# KiCad board hologram v3.kicad_pcb (continued)
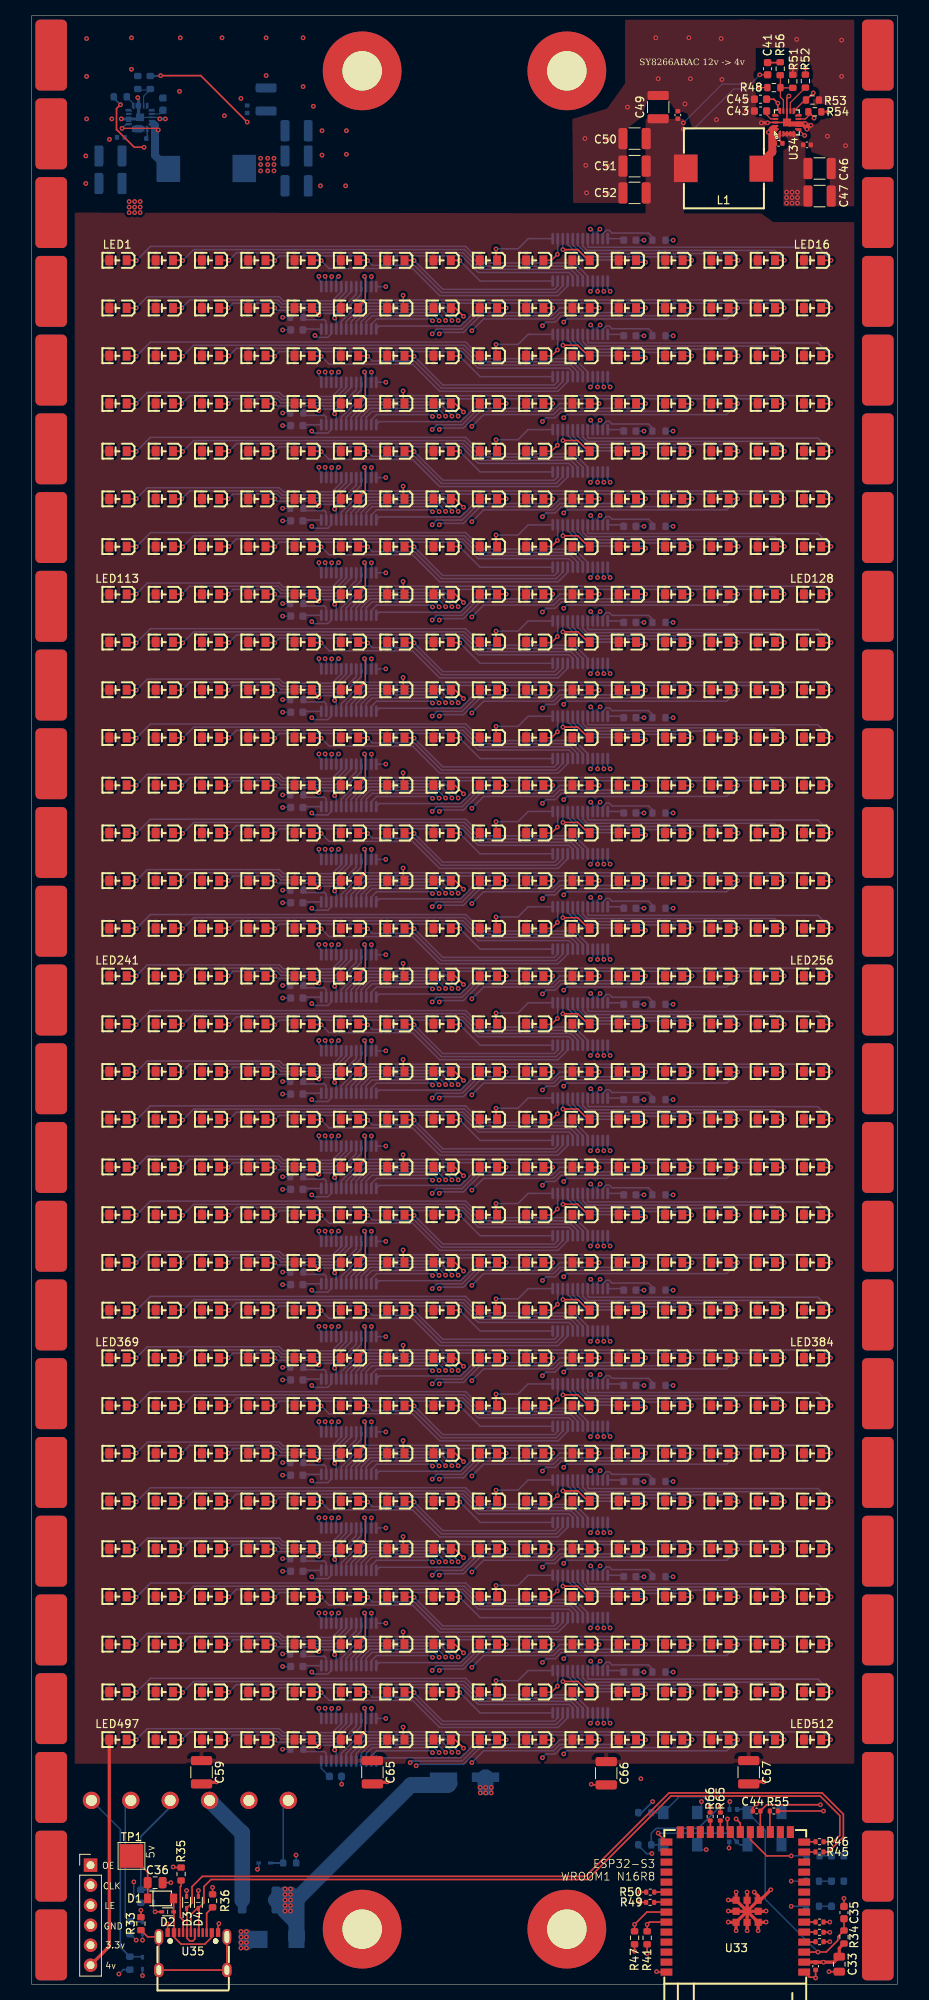
[diagram p0: board, top side]
## Routing (per net, layer and track width the routed paths; a pad name or vN(x,y) marks a point on that pad's centre or on a via; arc(x,y) is an arc through that point) (continued)
Net-(LED383-K): length 59.1
  Top w0.2: v1(95.6,79.55) 95.58,79.53 94.29,79.53
  Bottom w0.2: U24.19 39.98,77.81 42.32,80.15 95,80.15 v1(95.6,79.55)
Net-(LED384-K): length 66
  Top w0.2: v1(101.5,79.55) 101.48,79.53 100.17,79.53
  Bottom w0.2: U24.20 39.35,77.81 42.09,80.55 100.5,80.55 v1(101.5,79.55)
Net-(LED385-K): length 61.7
  Top w0.2: v1(13.3,73.45) 13.26,73.49 11.93,73.49
  Bottom w0.2: U25.5 70.65,71.48 68.98,73.15 57.25,73.15 55.15,75.25 15.1,75.25 v1(13.3,73.45)
Net-(LED386-K): length 54.8
  Top w0.2: 17.81,73.49 19.16,73.49 v1(19.2,73.45)
  Bottom w0.2: U25.6 70.02,71.47 68.74,72.75 57.09,72.75 54.98,74.85 20.6,74.85 v1(19.2,73.45)
Net-(LED387-K): length 47.9
  Top w0.2: v1(25.06,73.49) 23.7,73.49
  Bottom w0.2: v1(25.06,73.49) 26.02,74.45 54.82,74.45 56.92,72.35 68.51,72.35 69.38,71.48 U25.7
Net-(LED388-K): length 41.1
  Top w0.2: v1(30.9,73.45) 30.86,73.49 29.58,73.49
  Bottom w0.2: v1(30.9,73.45) 31.5,74.05 54.65,74.05 56.75,71.95 68.27,71.95 68.75,71.47 U25.8
Net-(LED389-K): length 35.6
  Top w0.2: 35.46,73.49 36.76,73.49 v1(36.8,73.45)
  Bottom w0.2: U25.9 68.11,70.24 66.88,69.01 51.84,69.01 48.4,72.45 37.8,72.45 v1(36.8,73.45)
Net-(LED390-K): length 28.8
  Top w0.2: v1(42.7,73.45) 42.66,73.49 41.34,73.49
  Bottom w0.2: v1(42.7,73.45) 43.3,72.85 48.63,72.85 52.07,69.41 66.64,69.41 67.48,70.25 U25.10
Net-(LED391-K): length 21.9
  Top w0.2: v1(48.6,73.45) 48.56,73.49 47.23,73.49
  Bottom w0.2: U25.11 66.84,70.24 66.41,69.81 52.24,69.81 v1(48.6,73.45)
Net-(LED392-K): length 14.2
  Top w0.2: v1(54.4,73.45) 54.36,73.49 53.11,73.49
  Bottom w0.2: v1(54.4,73.45) 56.99,70.86 U25.12
Net-(LED393-K): length 9.2
  Top w0.2: 58.99,73.49 59,73.5 v1(59,74.95)
  Bottom w0.2: v1(59,74.95) 61.8,74.95 63.09,76.24 U25.13
Net-(LED394-K): length 4.2
  Top w0.2: v1(66.8,74.25) 66.04,73.49 64.87,73.49
  Bottom w0.2: U25.14 66.84,74.39 66.8,74.35 v1(66.8,74.25)
Net-(LED395-K): length 5.9
  Top w0.2: 70.76,73.49 69.4,74.85 v1(67.5,74.85)
  Bottom w0.2: v1(67.5,74.85) 67.5,76.22 U25.15 67.48,75.57
Net-(LED396-K): length 13.1
  Top w0.2: 76.64,73.49 76.88,73.25 v1(78,73.25)
  Bottom w0.2: v1(78,73.25) 78,73.45 77.9,73.55 70.09,73.55 68.11,75.52 U25.16
Net-(LED397-K): length 18.1
  Top w0.2: v1(83.86,73.49) 82.52,73.49
  Bottom w0.2: v1(83.86,73.49) 83.4,73.95 70.25,73.95 68.75,75.45 U25.17
Net-(LED398-K): length 23.4
  Top w0.2: v1(89.76,73.49) 88.4,73.49
  Bottom w0.2: U25.18 69.38,75.39 70.42,74.35 88.9,74.35 v1(89.76,73.49)
Net-(LED399-K): length 28.7
  Top w0.2: v1(95.64,73.49) 94.29,73.49
  Bottom w0.2: v1(95.64,73.49) 94.38,74.75 70.58,74.75 70.02,75.31 U25.19
Net-(LED400-K): length 34
  Top w0.2: v1(101.56,73.49) 100.17,73.49
  Bottom w0.2: v1(101.56,73.49) 99.9,75.15 70.75,75.15 70.65,75.25 U25.20
Net-(LED401-K): length 29.3
  Top w0.2: v1(13.3,67.45) 13.28,67.43 11.93,67.43
  Bottom w0.2: v1(13.3,67.45) 14.7,68.85 31.48,68.85 31.98,68.35 38.2,68.35 39.35,69.5 U26.5
Net-(LED402-K): length 24.1
  Top w0.2: 17.81,67.43 19.08,67.43 v1(19.1,67.45)
  Bottom w0.2: U26.6 39.98,69.52 38.41,67.95 31.82,67.95 31.32,68.45 30.48,68.45 30.48,68.45 20.1,68.45 v1(19.1,67.45)
Net-(LED403-K): length 18.8
  Top w0.2: v1(25,67.45) 24.98,67.43 23.7,67.43
  Bottom w0.2: v1(25,67.45) 25.6,68.05 30.65,68.05 30.65,68.05 31.15,68.05 31.65,67.55 38.64,67.55 40.62,69.53 U26.7
Net-(LED404-K): length 13.6
  Top w0.2: v1(30.9,67.45) 30.88,67.43 29.58,67.43
  Bottom w0.2: v1(30.9,67.45) 31.2,67.15 39.21,67.15 41.25,69.19 U26.8
Net-(LED405-K): length 8.8
  Top w0.2: 35.46,67.43 35.62,67.43 v1(36.5,66.55)
  Bottom w0.2: U26.9 41.89,69.19 39.45,66.75 36.7,66.75 v1(36.5,66.55)
Net-(LED406-K): length 5.9
  Top w0.2: v1(42.3,71.45) 42.4,71.35 42.4,68.49 41.34,67.43
  Bottom w0.2: U26.10 42.52,71.23 v1(42.3,71.45)
Net-(LED407-K): length 8.2
  Top w0.2: v1(47.2,69.05) 47.23,69.03 47.23,67.43
  In4.Cu w0.2: v1(43.18,71.43) 43.18,71.08 45.2,69.05 v1(47.2,69.05)
  Bottom w0.2: U26.11 43.2,70.18 43.2,71.4 v1(43.18,71.43)
Net-(LED408-K): length 14.9
  Top w0.2: 53.11,67.43 53.82,67.43 v1(54.88,66.38)
  In4.Cu w0.2: v1(45,70.15) 51.1,70.15 v1(54.88,66.38)
  Bottom w0.2: U26.12 43.8,70.15 v1(45,70.15)
Net-(LED409-K): length 18.9
  Top w0.2: 58.99,67.43 60.28,67.43 v1(60.3,67.45)
  Bottom w0.2: v1(60.3,67.45) 56.8,67.45 54.5,65.15 52.03,65.15 52.03,65.15 51.53,65.15 51.53,65.15 44.18,65.15 U26.13
Net-(LED410-K): length 28.6
  Top w0.2: 64.87,67.43 66.18,67.43 v1(66.2,67.45)
  In4.Cu w0.2: v1(50.9,64.15) 50.9,65.78 v1(50.94,65.82)
  Bottom w0.2: v1(50.94,65.82) 50.71,66.05 43.83,66.05 43.16,65.38 U26.14 ; v1(66.2,67.45) 66.2,67.15 65.9,66.85 56.8,66.85 54.7,64.75 51.5,64.75 v1(50.9,64.15)
Net-(LED411-K): length 35.5
  Top w0.2: v1(72.1,67.45) 72.08,67.43 70.76,67.43
  In4.Cu w0.2: v1(51.8,64.15) 51.8,65.8 v1(51.78,65.83)
  Bottom w0.2: v1(51.8,64.15) 51.98,64.33 54.87,64.33 56.97,66.43 56.97,66.45 66.1,66.45 67.1,67.45 v1(72.1,67.45) ; U26.15 42.52,65.71 43.26,66.45 51.15,66.45 v1(51.78,65.83)
Net-(LED412-K): length 41.1
  Top w0.2: 76.64,67.43 77.98,67.43 v1(78,67.45)
  In4.Cu w0.2: v1(55.93,64.55) 53.8,64.55 52.6,65.75 v1(52.6,65.85)
  Bottom w0.2: U26.16 41.89,65.71 43.03,66.85 51.6,66.85 v1(52.6,65.85) ; v1(55.93,64.55) 57.43,66.05 66.3,66.05 67.1,66.85 77.4,66.85 v1(78,67.45)
Net-(LED413-K): length 47.5
  Top w0.2: 82.52,67.43 83.88,67.43 v1(83.9,67.45)
  In4.Cu w0.2: v1(53.4,65.85) 53.4,65.8 53.97,65.23 64.85,65.23 v1(64.9,65.18)
  Bottom w0.2: v1(83.9,67.45) 82.9,66.45 67.3,66.45 66.5,65.65 65.38,65.65 v1(64.9,65.18) ; v1(53.4,65.85) 53.42,65.88 53.42,65.93 52.1,67.25 42.79,67.25 41.25,65.71 U26.17
Net-(LED414-K): length 53.8
  Top w0.2: v1(89.7,67.45) 89.68,67.43 88.4,67.43
  In4.Cu w0.2: v1(54.2,65.85) 54.28,65.78 67.48,65.78 v1(67.6,65.65)
  Bottom w0.2: U26.18 40.62,65.71 42.56,67.65 52.5,67.65 54.2,65.95 v1(54.2,65.85) ; v1(89.7,67.45) 88.3,66.05 68,66.05 v1(67.6,65.65)
Net-(LED415-K): length 59.1
  Top w0.2: 94.29,67.43 95.58,67.43 v1(95.6,67.45)
  Bottom w0.2: v1(95.6,67.45) 95,68.05 42.32,68.05 39.98,65.71 U26.19
Net-(LED416-K): length 66
  Top w0.2: v1(101.5,67.45) 101.48,67.43 100.17,67.43
  Bottom w0.2: v1(101.5,67.45) 100.5,68.45 42.09,68.45 39.35,65.71 U26.20
Net-(LED417-K): length 61.7
  Top w0.2: 11.93,61.29 13.26,61.29 v1(13.3,61.25)
  Bottom w0.2: v1(13.3,61.25) 15.1,63.05 55.15,63.05 57.25,60.95 68.98,60.95 70.65,59.28 U27.5
Net-(LED418-K): length 54.8
  Top w0.2: 17.81,61.29 19.16,61.29 v1(19.2,61.25)
  Bottom w0.2: v1(19.2,61.25) 20.6,62.65 54.98,62.65 57.09,60.55 68.74,60.55 70.02,59.27 U27.6
Net-(LED419-K): length 47.9
  Top w0.2: v1(25.06,61.29) 23.7,61.29
  Bottom w0.2: U27.7 69.38,59.28 68.51,60.15 56.92,60.15 54.82,62.25 26.02,62.25 v1(25.06,61.29)
Net-(LED420-K): length 41.1
  Top w0.2: 29.58,61.29 30.86,61.29 v1(30.9,61.25)
  Bottom w0.2: v1(30.9,61.25) 31.5,61.85 54.65,61.85 56.75,59.75 68.27,59.75 68.75,59.27 U27.8
Net-(LED421-K): length 35.6
  Top w0.2: v1(36.8,61.25) 36.76,61.29 35.46,61.29
  Bottom w0.2: v1(36.8,61.25) 37.8,60.25 48.4,60.25 51.84,56.81 66.88,56.81 68.11,58.04 U27.9
Net-(LED422-K): length 28.8
  Top w0.2: 41.34,61.29 42.66,61.29 v1(42.7,61.25)
  Bottom w0.2: v1(42.7,61.25) 43.3,60.65 48.63,60.65 52.07,57.21 66.64,57.21 67.48,58.05 U27.10
Net-(LED423-K): length 21.9
  Top w0.2: v1(48.6,61.25) 48.56,61.29 47.23,61.29
  Bottom w0.2: v1(48.6,61.25) 52.24,57.61 66.41,57.61 66.84,58.04 U27.11
Net-(LED424-K): length 14.2
  Top w0.2: v1(54.4,61.25) 54.36,61.29 53.11,61.29
  Bottom w0.2: v1(54.4,61.25) 56.99,58.66 U27.12
Net-(LED425-K): length 9.2
  Top w0.2: v1(59,62.75) 59,61.3 58.99,61.29
  Bottom w0.2: v1(59,62.75) 61.8,62.75 63.09,64.04 U27.13
Net-(LED426-K): length 4.2
  Top w0.2: v1(66.8,62.05) 66.04,61.29 64.87,61.29
  Bottom w0.2: U27.14 66.84,62.19 66.8,62.15 v1(66.8,62.05)
Net-(LED427-K): length 5.9
  Top w0.2: v1(67.5,62.65) 69.4,62.65 70.76,61.29
  Bottom w0.2: 67.48,63.37 U27.15 67.5,64.02 v1(67.5,62.65)
Net-(LED428-K): length 13.1
  Top w0.2: 76.64,61.29 76.88,61.05 v1(78,61.05)
  Bottom w0.2: U27.16 68.11,63.32 70.09,61.35 77.9,61.35 78,61.25 v1(78,61.05)
Net-(LED429-K): length 18.1
  Top w0.2: v1(83.86,61.29) 82.52,61.29
  Bottom w0.2: U27.17 68.75,63.25 70.25,61.75 83.4,61.75 v1(83.86,61.29)
Net-(LED430-K): length 23.4
  Top w0.2: v1(89.76,61.29) 88.4,61.29
  Bottom w0.2: v1(89.76,61.29) 88.9,62.15 70.42,62.15 69.38,63.19 U27.18
Net-(LED431-K): length 28.7
  Top w0.2: v1(95.64,61.29) 94.29,61.29
  Bottom w0.2: v1(95.64,61.29) 94.38,62.55 70.58,62.55 70.02,63.11 U27.19
Net-(LED432-K): length 34
  Top w0.2: v1(101.56,61.29) 100.17,61.29
  Bottom w0.2: v1(101.56,61.29) 99.9,62.95 70.75,62.95 70.65,63.05 U27.20
Net-(LED433-K): length 29.3
  Top w0.2: v1(13.3,55.25) 13.28,55.23 11.93,55.23
  Bottom w0.2: U28.5 39.35,57.3 38.2,56.15 31.98,56.15 31.48,56.65 14.7,56.65 v1(13.3,55.25)
Net-(LED434-K): length 24.1
  Top w0.2: 17.81,55.23 19.08,55.23 v1(19.1,55.25)
  Bottom w0.2: U28.6 39.98,57.32 38.41,55.75 31.82,55.75 31.32,56.25 30.48,56.25 30.48,56.25 20.1,56.25 v1(19.1,55.25)
Net-(LED435-K): length 18.8
  Top w0.2: 23.7,55.23 24.98,55.23 v1(25,55.25)
  Bottom w0.2: v1(25,55.25) 25.6,55.85 30.65,55.85 30.65,55.85 31.15,55.85 31.65,55.35 38.64,55.35 40.62,57.33 U28.7
Net-(LED436-K): length 13.6
  Top w0.2: v1(30.9,55.25) 30.88,55.23 29.58,55.23
  Bottom w0.2: U28.8 41.25,56.99 39.21,54.95 31.2,54.95 v1(30.9,55.25)
Net-(LED437-K): length 8.8
  Top w0.2: 35.46,55.23 35.62,55.23 v1(36.5,54.35)
  Bottom w0.2: U28.9 41.89,56.99 39.45,54.55 36.7,54.55 v1(36.5,54.35)
Net-(LED438-K): length 5.9
  Top w0.2: v1(42.3,59.25) 42.4,59.15 42.4,56.29 41.34,55.23
  Bottom w0.2: v1(42.3,59.25) 42.52,59.03 U28.10
Net-(LED439-K): length 8.2
  Top w0.2: v1(47.2,56.85) 47.23,56.83 47.23,55.23
  In4.Cu w0.2: v1(47.2,56.85) 45.2,56.85 43.18,58.88 v1(43.18,59.23)
  Bottom w0.2: v1(43.18,59.23) 43.2,59.2 43.2,57.98 U28.11
Net-(LED440-K): length 14.9
  Top w0.2: 53.11,55.23 53.82,55.23 v1(54.88,54.18)
  In4.Cu w0.2: v1(45,57.95) 51.1,57.95 v1(54.88,54.18)
  Bottom w0.2: v1(45,57.95) 43.8,57.95 U28.12
Net-(LED441-K): length 18.9
  Top w0.2: 58.99,55.23 60.28,55.23 v1(60.3,55.25)
  Bottom w0.2: v1(60.3,55.25) 56.8,55.25 54.5,52.95 52.03,52.95 52.03,52.95 51.53,52.95 51.53,52.95 44.18,52.95 U28.13
Net-(LED442-K): length 28.6
  Top w0.2: v1(66.2,55.25) 66.18,55.23 64.87,55.23
  In4.Cu w0.2: v1(50.9,51.95) 50.9,53.58 v1(50.94,53.62)
  Bottom w0.2: v1(50.94,53.62) 50.71,53.85 43.83,53.85 43.16,53.18 U28.14 ; v1(66.2,55.25) 66.2,54.95 65.9,54.65 56.8,54.65 54.7,52.55 51.5,52.55 v1(50.9,51.95)
Net-(LED443-K): length 35.5
  Top w0.2: v1(72.1,55.25) 72.08,55.23 70.76,55.23
  In4.Cu w0.2: v1(51.78,53.63) 51.8,53.6 v1(51.8,51.95)
  Bottom w0.2: v1(51.8,51.95) 51.98,52.13 54.87,52.13 56.97,54.23 56.97,54.25 66.1,54.25 67.1,55.25 v1(72.1,55.25) ; U28.15 42.52,53.51 43.26,54.25 51.15,54.25 v1(51.78,53.63)
Net-(LED444-K): length 41.1
  Top w0.2: 76.64,55.23 77.98,55.23 v1(78,55.25)
  In4.Cu w0.2: v1(52.6,53.65) 52.6,53.55 53.8,52.35 v1(55.93,52.35)
  Bottom w0.2: U28.16 41.89,53.51 43.03,54.65 51.6,54.65 v1(52.6,53.65) ; v1(78,55.25) 77.4,54.65 67.1,54.65 66.3,53.85 57.43,53.85 v1(55.93,52.35)
Net-(LED445-K): length 47.5
  Top w0.2: 82.52,55.23 83.88,55.23 v1(83.9,55.25)
  In4.Cu w0.2: v1(64.9,52.98) 64.85,53.03 53.97,53.03 53.4,53.6 v1(53.4,53.65)
  Bottom w0.2: U28.17 41.25,53.51 42.79,55.05 52.1,55.05 53.42,53.73 53.42,53.68 v1(53.4,53.65) ; v1(64.9,52.98) 65.38,53.45 66.5,53.45 67.3,54.25 82.9,54.25 v1(83.9,55.25)
Net-(LED446-K): length 53.8
  Top w0.2: v1(89.7,55.25) 89.68,55.23 88.4,55.23
  In4.Cu w0.2: v1(54.2,53.65) 54.28,53.58 67.48,53.58 v1(67.6,53.45)
  Bottom w0.2: v1(89.7,55.25) 88.3,53.85 68,53.85 v1(67.6,53.45) ; v1(54.2,53.65) 54.2,53.75 52.5,55.45 42.56,55.45 40.62,53.51 U28.18
Net-(LED447-K): length 59.1
  Top w0.2: v1(95.6,55.25) 95.58,55.23 94.29,55.23
  Bottom w0.2: U28.19 39.98,53.51 42.32,55.85 95,55.85 v1(95.6,55.25)
Net-(LED448-K): length 66
  Top w0.2: 100.17,55.23 101.48,55.23 v1(101.5,55.25)
  Bottom w0.2: U28.20 39.35,53.51 42.09,56.25 100.5,56.25 v1(101.5,55.25)
Net-(LED449-K): length 61.7
  Top w0.2: v1(13.3,49.15) 13.26,49.19 11.93,49.19
  Bottom w0.2: v1(13.3,49.15) 15.1,50.95 55.15,50.95 57.25,48.85 68.98,48.85 70.65,47.18 U29.5
Net-(LED450-K): length 54.8
  Top w0.2: 17.81,49.19 19.16,49.19 v1(19.2,49.15)
  Bottom w0.2: v1(19.2,49.15) 20.6,50.55 54.98,50.55 57.09,48.45 68.74,48.45 70.02,47.17 U29.6
Net-(LED451-K): length 47.9
  Top w0.2: v1(25.06,49.19) 23.7,49.19
  Bottom w0.2: U29.7 69.38,47.18 68.51,48.05 56.92,48.05 54.82,50.15 26.02,50.15 v1(25.06,49.19)
Net-(LED452-K): length 41.1
  Top w0.2: 29.58,49.19 30.86,49.19 v1(30.9,49.15)
  Bottom w0.2: U29.8 68.75,47.17 68.27,47.65 56.75,47.65 54.65,49.75 31.5,49.75 v1(30.9,49.15)
Net-(LED453-K): length 35.6
  Top w0.2: v1(36.8,49.15) 36.76,49.19 35.46,49.19
  Bottom w0.2: v1(36.8,49.15) 37.8,48.15 48.4,48.15 51.84,44.71 66.88,44.71 68.11,45.94 U29.9
Net-(LED454-K): length 28.8
  Top w0.2: 41.34,49.19 42.66,49.19 v1(42.7,49.15)
  Bottom w0.2: U29.10 67.48,45.95 66.64,45.11 52.07,45.11 48.63,48.55 43.3,48.55 v1(42.7,49.15)
Net-(LED455-K): length 21.9
  Top w0.2: v1(48.6,49.15) 48.56,49.19 47.23,49.19
  Bottom w0.2: v1(48.6,49.15) 52.24,45.51 66.41,45.51 66.84,45.94 U29.11
Net-(LED456-K): length 14.2
  Top w0.2: 53.11,49.19 54.36,49.19 v1(54.4,49.15)
  Bottom w0.2: v1(54.4,49.15) 56.99,46.56 U29.12
Net-(LED457-K): length 9.2
  Top w0.2: 58.99,49.19 59,49.2 v1(59,50.65)
  Bottom w0.2: v1(59,50.65) 61.8,50.65 63.09,51.94 U29.13
Net-(LED458-K): length 4.2
  Top w0.2: v1(66.8,49.95) 66.04,49.19 64.87,49.19
  Bottom w0.2: v1(66.8,49.95) 66.8,50.05 66.84,50.09 U29.14
Net-(LED459-K): length 5.9
  Top w0.2: v1(67.5,50.55) 69.4,50.55 70.76,49.19
  Bottom w0.2: v1(67.5,50.55) 67.5,51.92 U29.15 67.48,51.27
Net-(LED460-K): length 13.1
  Top w0.2: v1(78,48.95) 76.88,48.95 76.64,49.19
  Bottom w0.2: v1(78,48.95) 78,49.15 77.9,49.25 70.09,49.25 68.11,51.22 U29.16
Net-(LED461-K): length 18.1
  Top w0.2: v1(83.86,49.19) 82.52,49.19
  Bottom w0.2: U29.17 68.75,51.15 70.25,49.65 83.4,49.65 v1(83.86,49.19)
Net-(LED462-K): length 23.4
  Top w0.2: v1(89.76,49.19) 88.4,49.19
  Bottom w0.2: U29.18 69.38,51.09 70.42,50.05 88.9,50.05 v1(89.76,49.19)
Net-(LED463-K): length 28.7
  Top w0.2: v1(95.64,49.19) 94.29,49.19
  Bottom w0.2: U29.19 70.02,51.01 70.58,50.45 94.38,50.45 v1(95.64,49.19)
Net-(LED464-K): length 34
  Top w0.2: v1(101.56,49.19) 100.17,49.19
  Bottom w0.2: U29.20 70.65,50.95 70.75,50.85 99.9,50.85 v1(101.56,49.19)
Net-(LED465-K): length 29.3
  Top w0.2: v1(13.3,43.15) 13.28,43.13 11.93,43.13
  Bottom w0.2: U30.5 39.35,45.2 38.2,44.05 31.98,44.05 31.48,44.55 14.7,44.55 v1(13.3,43.15)
Net-(LED466-K): length 24.1
  Top w0.2: v1(19.1,43.15) 19.08,43.13 17.81,43.13
  Bottom w0.2: U30.6 39.98,45.22 38.41,43.65 31.82,43.65 31.32,44.15 30.48,44.15 30.48,44.15 20.1,44.15 v1(19.1,43.15)
Net-(LED467-K): length 18.8
  Top w0.2: 23.7,43.13 24.98,43.13 v1(25,43.15)
  Bottom w0.2: U30.7 40.62,45.23 38.64,43.25 31.65,43.25 31.15,43.75 30.65,43.75 30.65,43.75 25.6,43.75 v1(25,43.15)
Net-(LED468-K): length 13.6
  Top w0.2: v1(30.9,43.15) 30.88,43.13 29.58,43.13
  Bottom w0.2: U30.8 41.25,44.89 39.21,42.85 31.2,42.85 v1(30.9,43.15)
Net-(LED469-K): length 8.8
  Top w0.2: v1(36.5,42.25) 35.62,43.13 35.46,43.13
  Bottom w0.2: v1(36.5,42.25) 36.7,42.45 39.45,42.45 41.89,44.89 U30.9
Net-(LED470-K): length 5.9
  Top w0.2: 41.34,43.13 42.4,44.19 42.4,47.05 v1(42.3,47.15)
  Bottom w0.2: v1(42.3,47.15) 42.52,46.93 U30.10
Net-(LED471-K): length 8.2
  Top w0.2: 47.23,43.13 47.23,44.73 v1(47.2,44.75)
  In4.Cu w0.2: v1(47.2,44.75) 45.2,44.75 43.18,46.78 v1(43.18,47.13)
  Bottom w0.2: U30.11 43.2,45.88 43.2,47.1 v1(43.18,47.13)
Net-(LED472-K): length 14.9
  Top w0.2: v1(54.88,42.08) 53.82,43.13 53.11,43.13
  In4.Cu w0.2: v1(45,45.85) 51.1,45.85 v1(54.88,42.08)
  Bottom w0.2: v1(45,45.85) 43.8,45.85 U30.12
Net-(LED473-K): length 18.9
  Top w0.2: 58.99,43.13 60.28,43.13 v1(60.3,43.15)
  Bottom w0.2: v1(60.3,43.15) 56.8,43.15 54.5,40.85 52.03,40.85 52.03,40.85 51.53,40.85 51.53,40.85 44.18,40.85 U30.13
Net-(LED474-K): length 28.6
  Top w0.2: v1(66.2,43.15) 66.18,43.13 64.87,43.13
  In4.Cu w0.2: v1(50.9,39.85) 50.9,41.48 v1(50.94,41.52)
  Bottom w0.2: v1(66.2,43.15) 66.2,42.85 65.9,42.55 56.8,42.55 54.7,40.45 51.5,40.45 v1(50.9,39.85) ; v1(50.94,41.52) 50.71,41.75 43.83,41.75 43.16,41.08 U30.14
Net-(LED475-K): length 35.5
  Top w0.2: v1(72.1,43.15) 72.08,43.13 70.76,43.13
  In4.Cu w0.2: v1(51.8,39.85) 51.8,41.5 v1(51.78,41.53)
  Bottom w0.2: v1(51.78,41.53) 51.15,42.15 43.26,42.15 42.52,41.41 U30.15 ; v1(51.8,39.85) 51.98,40.03 54.87,40.03 56.97,42.13 56.97,42.15 66.1,42.15 67.1,43.15 v1(72.1,43.15)
Net-(LED476-K): length 41.1
  Top w0.2: v1(78,43.15) 77.98,43.13 76.64,43.13
  In4.Cu w0.2: v1(55.93,40.25) 53.8,40.25 52.6,41.45 v1(52.6,41.55)
  Bottom w0.2: U30.16 41.89,41.41 43.03,42.55 51.6,42.55 v1(52.6,41.55) ; v1(78,43.15) 77.4,42.55 67.1,42.55 66.3,41.75 57.43,41.75 v1(55.93,40.25)
Net-(LED477-K): length 47.5
  Top w0.2: 82.52,43.13 83.88,43.13 v1(83.9,43.15)
  In4.Cu w0.2: v1(53.4,41.55) 53.4,41.5 53.97,40.93 64.85,40.93 v1(64.9,40.88)
  Bottom w0.2: v1(83.9,43.15) 82.9,42.15 67.3,42.15 66.5,41.35 65.38,41.35 v1(64.9,40.88) ; U30.17 41.25,41.41 42.79,42.95 52.1,42.95 53.42,41.63 53.42,41.58 v1(53.4,41.55)
Net-(LED478-K): length 53.8
  Top w0.2: 88.4,43.13 89.68,43.13 v1(89.7,43.15)
  In4.Cu w0.2: v1(54.2,41.55) 54.28,41.48 67.48,41.48 v1(67.6,41.35)
  Bottom w0.2: v1(67.6,41.35) 68,41.75 88.3,41.75 v1(89.7,43.15) ; v1(54.2,41.55) 54.2,41.65 52.5,43.35 42.56,43.35 40.62,41.41 U30.18
Net-(LED479-K): length 59.1
  Top w0.2: v1(95.6,43.15) 95.58,43.13 94.29,43.13
  Bottom w0.2: v1(95.6,43.15) 95,43.75 42.32,43.75 39.98,41.41 U30.19
Net-(LED480-K): length 66
  Top w0.2: 100.17,43.13 101.48,43.13 v1(101.5,43.15)
  Bottom w0.2: v1(101.5,43.15) 100.5,44.15 42.09,44.15 39.35,41.41 U30.20
Net-(LED481-K): length 61.7
  Top w0.2: 11.93,37.09 13.26,37.09 v1(13.3,37.05)
  Bottom w0.2: v1(13.3,37.05) 15.1,38.85 55.15,38.85 57.25,36.75 68.98,36.75 70.65,35.08 U31.5
Net-(LED482-K): length 54.8
  Top w0.2: v1(19.2,37.05) 19.16,37.09 17.81,37.09
  Bottom w0.2: U31.6 70.02,35.07 68.74,36.35 57.09,36.35 54.98,38.45 20.6,38.45 v1(19.2,37.05)
Net-(LED483-K): length 47.9
  Top w0.2: v1(25.06,37.09) 23.7,37.09
  Bottom w0.2: U31.7 69.38,35.08 68.51,35.95 56.92,35.95 54.82,38.05 26.02,38.05 v1(25.06,37.09)
Net-(LED484-K): length 41.1
  Top w0.2: v1(30.9,37.05) 30.86,37.09 29.58,37.09
  Bottom w0.2: v1(30.9,37.05) 31.5,37.65 54.65,37.65 56.75,35.55 68.27,35.55 68.75,35.07 U31.8
Net-(LED485-K): length 35.6
  Top w0.2: v1(36.8,37.05) 36.76,37.09 35.46,37.09
  Bottom w0.2: U31.9 68.11,33.84 66.88,32.61 51.84,32.61 48.4,36.05 37.8,36.05 v1(36.8,37.05)
Net-(LED486-K): length 28.8
  Top w0.2: 41.34,37.09 42.66,37.09 v1(42.7,37.05)
  Bottom w0.2: U31.10 67.48,33.85 66.64,33.01 52.07,33.01 48.63,36.45 43.3,36.45 v1(42.7,37.05)
Net-(LED487-K): length 21.9
  Top w0.2: v1(48.6,37.05) 48.56,37.09 47.23,37.09
  Bottom w0.2: U31.11 66.84,33.84 66.41,33.41 52.24,33.41 v1(48.6,37.05)
Net-(LED488-K): length 14.2
  Top w0.2: v1(54.4,37.05) 54.36,37.09 53.11,37.09
  Bottom w0.2: v1(54.4,37.05) 56.99,34.46 U31.12
Net-(LED489-K): length 9.2
  Top w0.2: 58.99,37.09 59,37.1 v1(59,38.55)
  Bottom w0.2: U31.13 63.09,39.84 61.8,38.55 v1(59,38.55)
Net-(LED490-K): length 4.2
  Top w0.2: 64.87,37.09 66.04,37.09 v1(66.8,37.85)
  Bottom w0.2: v1(66.8,37.85) 66.8,37.95 66.84,37.99 U31.14
Net-(LED491-K): length 5.9
  Top w0.2: v1(67.5,38.45) 69.4,38.45 70.76,37.09
  Bottom w0.2: v1(67.5,38.45) 67.5,39.82 U31.15 67.48,39.17
Net-(LED492-K): length 13.1
  Top w0.2: v1(78,36.85) 76.88,36.85 76.64,37.09
  Bottom w0.2: v1(78,36.85) 78,37.05 77.9,37.15 70.09,37.15 68.11,39.12 U31.16
Net-(LED493-K): length 18.1
  Top w0.2: v1(83.86,37.09) 82.52,37.09
  Bottom w0.2: v1(83.86,37.09) 83.4,37.55 70.25,37.55 68.75,39.05 U31.17
Net-(LED494-K): length 23.4
  Top w0.2: v1(89.76,37.09) 88.4,37.09
  Bottom w0.2: v1(89.76,37.09) 88.9,37.95 70.42,37.95 69.38,38.99 U31.18
Net-(LED495-K): length 28.7
  Top w0.2: v1(95.64,37.09) 94.29,37.09
  Bottom w0.2: U31.19 70.02,38.91 70.58,38.35 94.38,38.35 v1(95.64,37.09)
Net-(LED496-K): length 34
  Top w0.2: v1(101.56,37.09) 100.17,37.09
  Bottom w0.2: v1(101.56,37.09) 99.9,38.75 70.75,38.75 70.65,38.85 U31.20
Net-(LED497-K): length 29.3
  Top w0.2: v1(13.3,31.05) 13.28,31.03 11.93,31.03
  Bottom w0.2: U32.5 39.35,33.1 38.2,31.95 31.98,31.95 31.48,32.45 14.7,32.45 v1(13.3,31.05)
Net-(LED498-K): length 24.1
  Top w0.2: 17.81,31.03 19.08,31.03 v1(19.1,31.05)
  Bottom w0.2: U32.6 39.98,33.12 38.41,31.55 31.82,31.55 31.32,32.05 30.48,32.05 30.48,32.05 20.1,32.05 v1(19.1,31.05)
Net-(LED499-K): length 18.8
  Top w0.2: 23.7,31.03 24.98,31.03 v1(25,31.05)
  Bottom w0.2: v1(25,31.05) 25.6,31.65 30.65,31.65 30.65,31.65 31.15,31.65 31.65,31.15 38.64,31.15 40.62,33.13 U32.7
Net-(LED500-K): length 13.6
  Top w0.2: v1(30.9,31.05) 30.88,31.03 29.58,31.03
  Bottom w0.2: U32.8 41.25,32.79 39.21,30.75 31.2,30.75 v1(30.9,31.05)
Net-(LED501-K): length 8.8
  Top w0.2: 35.46,31.03 35.62,31.03 v1(36.5,30.15)
  Bottom w0.2: U32.9 41.89,32.79 39.45,30.35 36.7,30.35 v1(36.5,30.15)
Net-(LED502-K): length 5.9
  Top w0.2: 41.34,31.03 42.4,32.09 42.4,34.95 v1(42.3,35.05)
  Bottom w0.2: v1(42.3,35.05) 42.52,34.83 U32.10
Net-(LED503-K): length 8.2
  Top w0.2: v1(47.2,32.65) 47.23,32.63 47.23,31.03
  In4.Cu w0.2: v1(43.18,35.03) 43.18,34.68 45.2,32.65 v1(47.2,32.65)
  Bottom w0.2: v1(43.18,35.03) 43.2,35 43.2,33.78 U32.11
Net-(LED504-K): length 14.9
  Top w0.2: v1(54.88,29.98) 53.82,31.03 53.11,31.03
  In4.Cu w0.2: v1(54.88,29.98) 51.1,33.75 v1(45,33.75)
  Bottom w0.2: U32.12 43.8,33.75 v1(45,33.75)
Net-(LED505-K): length 18.9
  Top w0.2: v1(60.3,31.05) 60.28,31.03 58.99,31.03
  Bottom w0.2: U32.13 44.18,28.75 51.53,28.75 51.53,28.75 52.03,28.75 52.03,28.75 54.5,28.75 56.8,31.05 v1(60.3,31.05)
Net-(LED506-K): length 32.9
  Top w0.2: v1(66.2,31.05) 66.18,31.03 64.87,31.03
  In4.Cu w0.2: v1(50.94,29.42) 50.9,29.38 49.32,29.38 v1(48.1,28.15)
  Bottom w0.2: v1(50.94,29.42) 50.71,29.65 43.83,29.65 43.16,28.98 U32.14 ; v1(66.2,31.05) 66.2,30.75 65.9,30.45 56.8,30.45 54.7,28.35 48.3,28.35 v1(48.1,28.15)
Net-(LED507-K): length 40.4
  Top w0.2: 70.76,31.03 72.08,31.03 v1(72.1,31.05)
  In4.Cu w0.2: v1(51.78,29.43) 51.78,29.4 51.19,28.81 50.91,28.81 49.85,27.75 v1(48.85,27.75)
  Bottom w0.2: v1(51.78,29.43) 51.15,30.05 43.26,30.05 42.52,29.31 U32.15 ; v1(72.1,31.05) 67.1,31.05 66.1,30.05 56.97,30.05 56.97,30.03 54.87,27.93 49.04,27.93 v1(48.85,27.75)
Net-(LED508-K): length 41.1
  Top w0.2: v1(78,31.05) 77.98,31.03 76.64,31.03
  In4.Cu w0.2: v1(55.93,28.15) 53.8,28.15 52.6,29.35 v1(52.6,29.45)
  Bottom w0.2: v1(55.93,28.15) 57.43,29.65 66.3,29.65 67.1,30.45 77.4,30.45 v1(78,31.05) ; U32.16 41.89,29.31 43.03,30.45 51.6,30.45 v1(52.6,29.45)
Net-(LED509-K): length 47.5
  Top w0.2: v1(83.9,31.05) 83.88,31.03 82.52,31.03
  In4.Cu w0.2: v1(64.9,28.78) 64.85,28.83 53.97,28.83 53.4,29.4 v1(53.4,29.45)
  Bottom w0.2: v1(83.9,31.05) 82.9,30.05 67.3,30.05 66.5,29.25 65.38,29.25 v1(64.9,28.78) ; U32.17 41.25,29.31 42.79,30.85 52.1,30.85 53.42,29.53 53.42,29.48 v1(53.4,29.45)
Net-(LED510-K): length 53.8
  Top w0.2: 88.4,31.03 89.68,31.03 v1(89.7,31.05)
  In4.Cu w0.2: v1(54.2,29.45) 54.28,29.38 67.48,29.38 v1(67.6,29.25)
  Bottom w0.2: U32.18 40.62,29.31 42.56,31.25 52.5,31.25 54.2,29.55 v1(54.2,29.45) ; v1(67.6,29.25) 68,29.65 88.3,29.65 v1(89.7,31.05)
Net-(LED511-K): length 59.1
  Top w0.2: v1(95.6,31.05) 95.58,31.03 94.29,31.03
  Bottom w0.2: U32.19 39.98,29.31 42.32,31.65 95,31.65 v1(95.6,31.05)
Net-(LED512-K): length 66
  Top w0.2: v1(101.5,31.05) 101.48,31.03 100.17,31.03
  Bottom w0.2: v1(101.5,31.05) 100.5,32.05 42.09,32.05 39.35,29.31 U32.20
Net-(R33-Pad1): length 19.7
  Top w0.2: R33.1 14.76,6.01 U35.13 U35.13 U35.14 U35.14
Net-(SW3-A): length 9.8
  Top w0.2: R66.2 v1(86.2,22.6)
  Bottom w0.2: v1(86.2,22.6) 86.2,22.95 85.35,23.8 82.24,23.8 SW3.1 78.72,21.8
Net-(SW4-A): length 14
  Top w0.2: R65.1 v1(87.5,22.6)
  Bottom w0.2: SW4.1 78.72,17.7 78.72,19.17 79.35,19.8 84.7,19.8 v1(87.5,22.6)
Net-(U1-R-EXT): length 7.5
  Bottom w0.2: 78.88,221.9 78.38,222.4 73.73,222.4 73.39,222.74 72.99,222.74 72.56,222.31 U1.23
Net-(U1-VDD): length 1.8
  Bottom w0.2: U1.24 75.02,221.69
Net-(U2-R-EXT): length 4.1
  Bottom w0.2: R2.2 34.83,211.4 37.2,211.4 37.44,211.16 U2.23
Net-(U2-VDD): length 2.4
  Bottom w0.2: U2.24 34.59,210.21 34.48,210.1
Net-(U3-R-EXT): length 7.5
  Bottom w0.2: U3.23 72.56,210.16 72.99,210.59 73.39,210.59 73.73,210.25 78.38,210.25 78.88,209.75
Net-(U3-VDD): length 2.1
  Bottom w0.2: U3.24 75.02,209.54 75.22,209.75
Net-(U4-R-EXT): length 4.1
  Bottom w0.2: U4.23 37.44,199.01 37.2,199.25 34.83,199.25 R4.2
Net-(U4-VDD): length 2.4
  Bottom w0.2: U4.24 34.59,198.06 34.48,197.95
Net-(U5-R-EXT): length 7.5
  Bottom w0.2: U5.23 72.56,198.06 72.99,198.49 73.39,198.49 73.73,198.15 78.38,198.15 78.88,197.65
